# KiCad board vme-wren.kicad_pcb (continued)
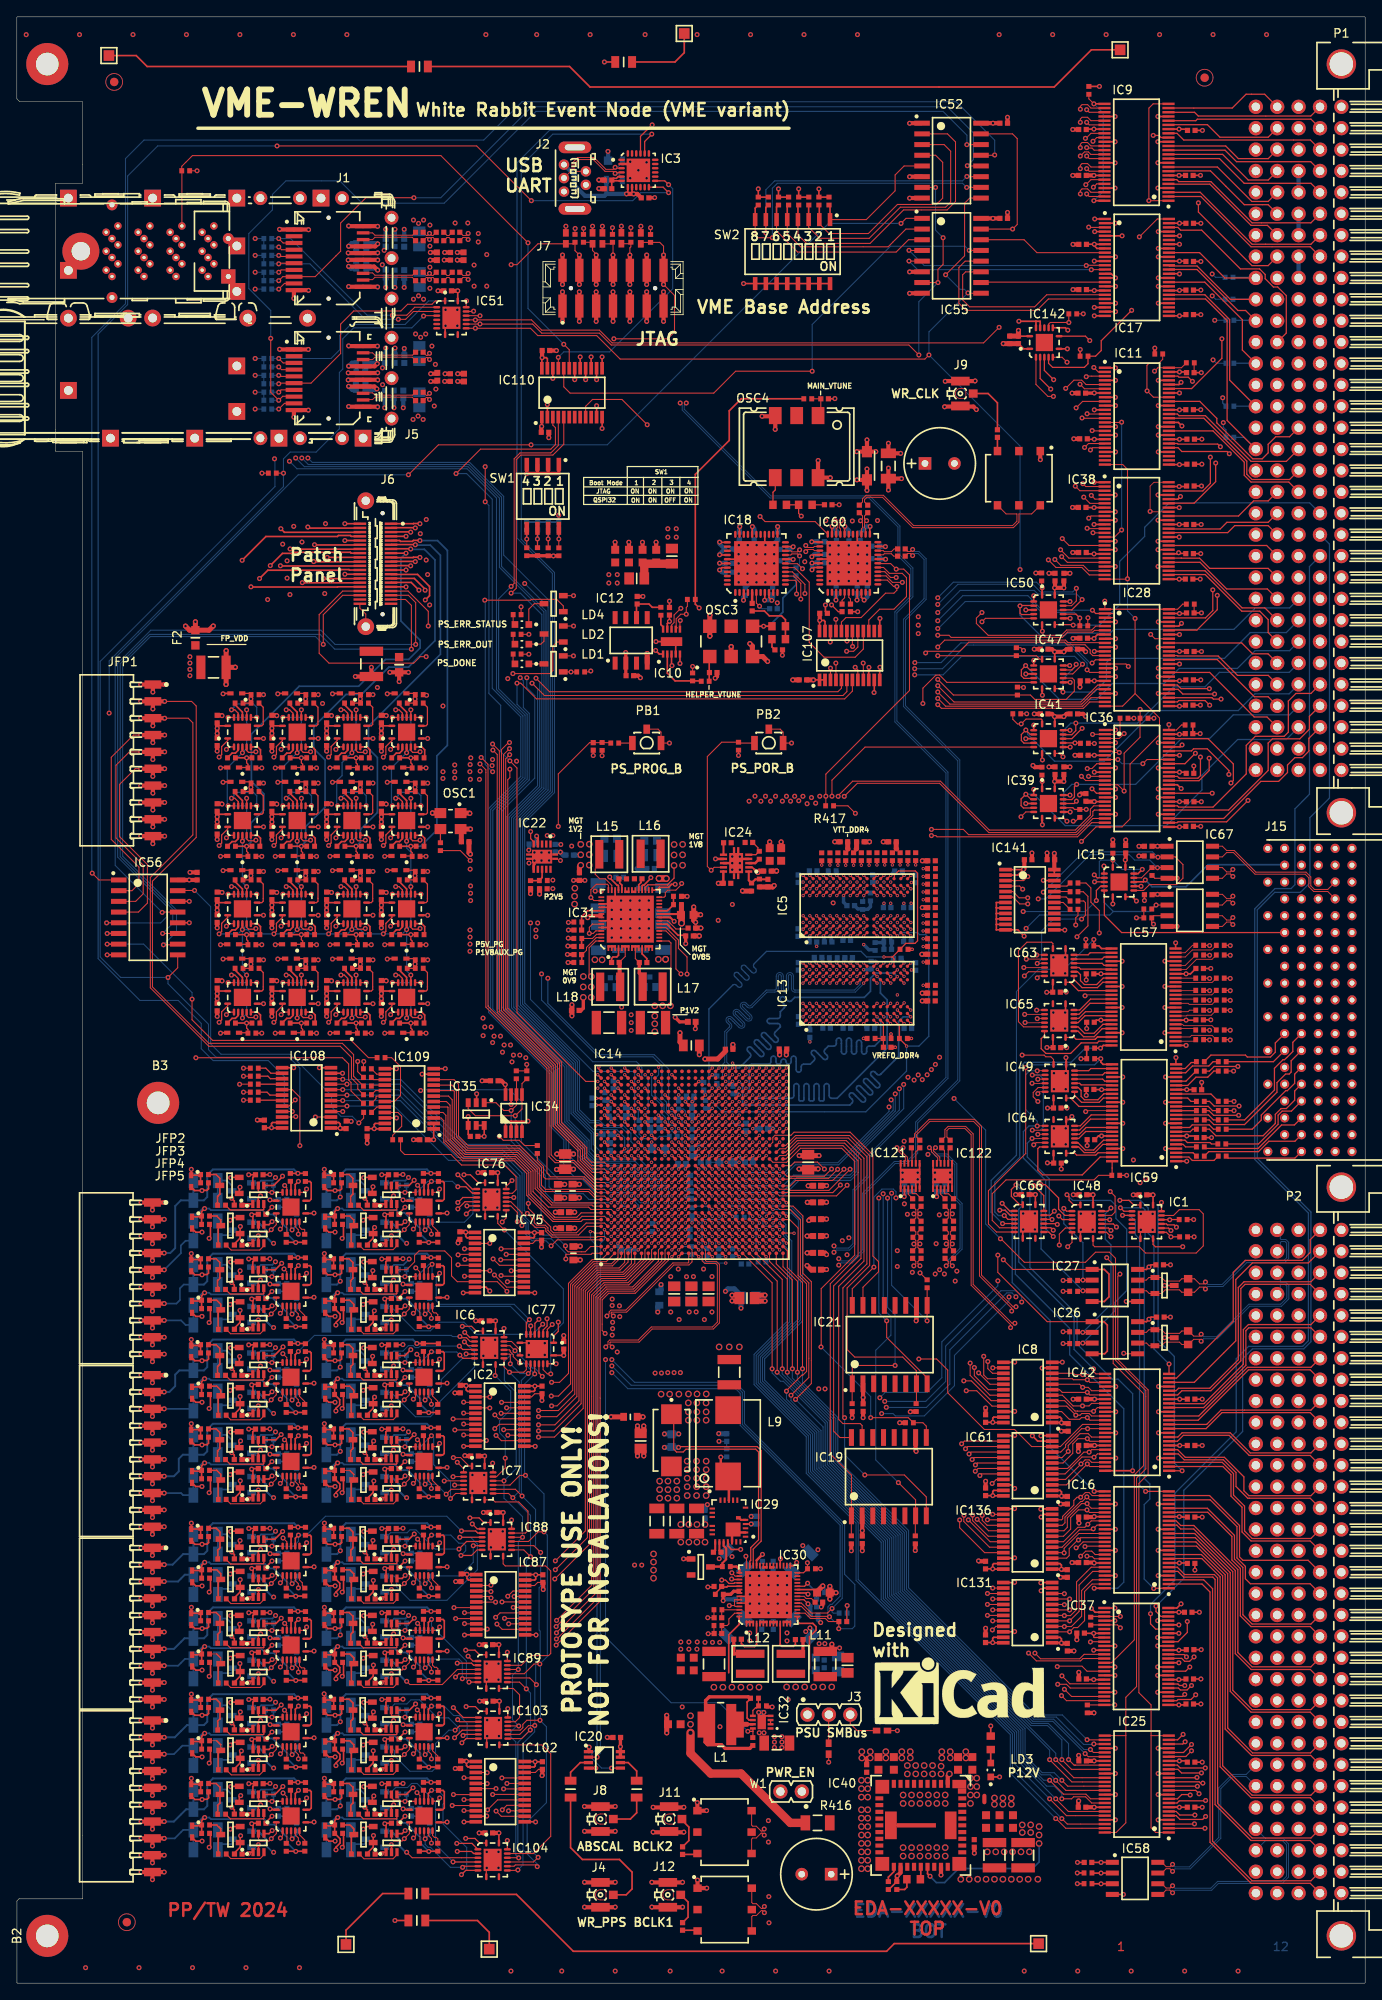
[diagram p0: board, top side]
## Footprints (pads in the part's own frame, mm; a bottom-side part is the same pattern mirrored in y, then rotated) (continued)
CAPC1005X55N
  rect 0.62x0.62 smd: 1(-0.45,0) 2(0.45,0)
CAPC1005X70N
  rect 0.71x0.72 smd: 1(-0.46,0) 2(0.46,0)
CAPC1608X90N
  rect 0.95x0.95 smd: 1(-0.75,0) 2(0.75,0)
CAPC1608X100N
  rect 0.8x0.95 smd: 1(-0.8,0) 2(0.8,0)
CAPC2013X145N
  rect 1.15x1.45 smd: 1(-0.9,0) 2(0.9,0)
CAPC3216X180N
  rect 1.15x1.8 smd: 1(-1.5,0) 2(1.5,0)
CAPC3225X280N
  rect 1.1x2.8 smd: 1(-1.5,0) 2(1.5,0)
CAPMP7343X200N
  rect 2.35x2.45 smd: 1(-3.1,0) 2(3.1,0)
CAPPR350-850X700_A
  rect 1.5x1.5 hole 0.8: 1(-1.75,0)
  round 1.5 hole 0.8: 2(1.75,0)
EATON_0402ESDA-MLP
  rect 0.9x0.7 smd: 1(-0.65,0) 2(0.65,0)
FIDUCIAL_TOP_C100-200
  round 1 smd: FTG2(0,0)
FUSR_LITTELFUSE_0603L
  rect 1x1 smd: 1(-0.9,0) 2(0.9,0)
HARTING_02 01 160 2101
  round 1.7 hole 1: A1(-2.54,0) A2(-2.54,-2.54) A3(-2.54,-5.08) A4(-2.54,-7.62) A5(-2.54,-10.16) A6(-2.54,-12.7) A7(-2.54,-15.24) A8(-2.54,-17.78) A9(-2.54,-20.32) A10(-2.54,-22.86) A11(-2.54,-25.4) A12(-2.54,-27.94) A13(-2.54,-30.48) A14(-2.54,-33.02) A15(-2.54,-35.56) A16(-2.54,-38.1) A17(-2.54,-40.64) A18(-2.54,-43.18) A19(-2.54,-45.72) A20(-2.54,-48.26) A21(-2.54,-50.8) A22(-2.54,-53.34) A23(-2.54,-55.88) A24(-2.54,-58.42) A25(-2.54,-60.96) A26(-2.54,-63.5) A27(-2.54,-66.04) A28(-2.54,-68.58) A29(-2.54,-71.12) A30(-2.54,-73.66) A31(-2.54,-76.2) A32(-2.54,-78.74) B1(-5.08,0) B2(-5.08,-2.54) B3(-5.08,-5.08) B4(-5.08,-7.62) B5(-5.08,-10.16) B6(-5.08,-12.7) B7(-5.08,-15.24) B8(-5.08,-17.78) B9(-5.08,-20.32) B10(-5.08,-22.86) B11(-5.08,-25.4) B12(-5.08,-27.94) B13(-5.08,-30.48) B14(-5.08,-33.02) B15(-5.08,-35.56) B16(-5.08,-38.1) B17(-5.08,-40.64) B18(-5.08,-43.18) B19(-5.08,-45.72) B20(-5.08,-48.26) B21(-5.08,-50.8) B22(-5.08,-53.34) B23(-5.08,-55.88) B24(-5.08,-58.42) B25(-5.08,-60.96) B26(-5.08,-63.5) B27(-5.08,-66.04) B28(-5.08,-68.58) B29(-5.08,-71.12) B30(-5.08,-73.66) B31(-5.08,-76.2) B32(-5.08,-78.74) C1(-7.62,0) C2(-7.62,-2.54) C3(-7.62,-5.08) C4(-7.62,-7.62) C5(-7.62,-10.16) C6(-7.62,-12.7) C7(-7.62,-15.24) C8(-7.62,-17.78) C9(-7.62,-20.32) C10(-7.62,-22.86) C11(-7.62,-25.4) C12(-7.62,-27.94) C13(-7.62,-30.48) C14(-7.62,-33.02) C15(-7.62,-35.56) C16(-7.62,-38.1) C17(-7.62,-40.64) C18(-7.62,-43.18) C19(-7.62,-45.72) C20(-7.62,-48.26) C21(-7.62,-50.8) C22(-7.62,-53.34) C23(-7.62,-55.88) C24(-7.62,-58.42) C25(-7.62,-60.96) C26(-7.62,-63.5) C27(-7.62,-66.04) C28(-7.62,-68.58) C29(-7.62,-71.12) C30(-7.62,-73.66) C31(-7.62,-76.2) C32(-7.62,-78.74) D1(-10.16,0) D2(-10.16,-2.54) D3(-10.16,-5.08) D4(-10.16,-7.62) D5(-10.16,-10.16) D6(-10.16,-12.7) D7(-10.16,-15.24) D8(-10.16,-17.78) D9(-10.16,-20.32) D10(-10.16,-22.86) D11(-10.16,-25.4) D12(-10.16,-27.94) D13(-10.16,-30.48) D14(-10.16,-33.02) D15(-10.16,-35.56) D16(-10.16,-38.1) D17(-10.16,-40.64) D18(-10.16,-43.18) D19(-10.16,-45.72) D20(-10.16,-48.26) D21(-10.16,-50.8) D22(-10.16,-53.34) D23(-10.16,-55.88) D24(-10.16,-58.42) D25(-10.16,-60.96) D26(-10.16,-63.5) D27(-10.16,-66.04) D28(-10.16,-68.58) D29(-10.16,-71.12) D30(-10.16,-73.66) D31(-10.16,-76.2) D32(-10.16,-78.74) Z1(0,0) Z2(0,-2.54) Z3(0,-5.08) Z4(0,-7.62) Z5(0,-10.16) Z6(0,-12.7) Z7(0,-15.24) Z8(0,-17.78) Z9(0,-20.32) Z10(0,-22.86) Z11(0,-25.4) Z12(0,-27.94) Z13(0,-30.48) Z14(0,-33.02) Z15(0,-35.56) Z16(0,-38.1) Z17(0,-40.64) Z18(0,-43.18) Z19(0,-45.72) Z20(0,-48.26) Z21(0,-50.8) Z22(0,-53.34) Z23(0,-55.88) Z24(0,-58.42) Z25(0,-60.96) Z26(0,-63.5) Z27(0,-66.04) Z28(0,-68.58) Z29(0,-71.12) Z30(0,-73.66) Z31(0,-76.2) Z32(0,-78.74)
  round 3.5 hole 2.8: MTG1(0,5.08) MTG2(0,-83.82)
HARTING_17 25 095 2102
  round 1.1 hole 0.6: A1(0,0) A2(0,-2) A3(0,-4) A4(0,-6) A5(0,-8) A6(0,-10) A7(0,-12) A8(0,-14) A9(0,-16) A10(0,-18) A11(0,-20) A12(0,-22) A13(0,-24) A14(0,-26) A15(0,-28) A16(0,-30) A17(0,-32) A18(0,-34) A19(0,-36) B1(-2,0) B2(-2,-2) B3(-2,-4) B4(-2,-6) B5(-2,-8) B6(-2,-10) B7(-2,-12) B8(-2,-14) B9(-2,-16) B10(-2,-18) B11(-2,-20) B12(-2,-22) B13(-2,-24) B14(-2,-26) B15(-2,-28) B16(-2,-30) B17(-2,-32) B18(-2,-34) B19(-2,-36) C1(-4,0) C2(-4,-2) C3(-4,-4) C4(-4,-6) C5(-4,-8) C6(-4,-10) C7(-4,-12) C8(-4,-14) C9(-4,-16) C10(-4,-18) C11(-4,-20) C12(-4,-22) C13(-4,-24) C14(-4,-26) C15(-4,-28) C16(-4,-30) C17(-4,-32) C18(-4,-34) C19(-4,-36) D1(-6,0) D2(-6,-2) D3(-6,-4) D4(-6,-6) D5(-6,-8) D6(-6,-10) D7(-6,-12) D8(-6,-14) D9(-6,-16) D10(-6,-18) D11(-6,-20) D12(-6,-22) D13(-6,-24) D14(-6,-26) D15(-6,-28) D16(-6,-30) D17(-6,-32) D18(-6,-34) D19(-6,-36) E1(-8,0) E2(-8,-2) E3(-8,-4) E4(-8,-6) E5(-8,-8) E6(-8,-10) E7(-8,-12) E8(-8,-14) E9(-8,-16) E10(-8,-18) E11(-8,-20) E12(-8,-22) E13(-8,-24) E14(-8,-26) E15(-8,-28) E16(-8,-30) E17(-8,-32) E18(-8,-34) E19(-8,-36) F1(-10,0) F3(-10,-4) F5(-10,-8) F7(-10,-12) F9(-10,-16) F11(-10,-20) F13(-10,-24) F15(-10,-28) F17(-10,-32) F19(-10,-36)
HARWIN_M22-6541042R
  rect 1x2 smd: 1(9,0) 2(7,0) 3(5,0) 4(3,0) 5(1,0) 6(-1,0) 7(-3,0) 8(-5,0) 9(-7,0) 10(-9,0)
HIROSE_U.FL-R-SMT-1(10)
  rect 1x1.05 smd: 1(0,-1.525)
  rect 1.05x2.2 smd: 2(-1.475,0) 2(1.475,0)
IND_COILCRAFT_XAL4020
  rect 0.98x3.4 smd: 1(-1.185,0) 2(1.185,0)
IND_COILCRAFT_XAL4030
  rect 0.98x3.4 smd: 1(-1.185,0) 2(1.185,0)
IND_MURATA_BLM31PG
  rect 1.35x1.2 smd: 1(-1.675,0) 2(1.675,0)
IND_PULSE_PA2607
  rect 3.3x3.05 smd: 1(-3.935,0) 2(3.935,0)
IND_TDK_VLCF5020-1
  custom 2.1x4.9 smd: 1(-1.25,0) 2(1.25,0)
INDC1608X95N
  rect 0.95x1 smd: 1(-0.8,0) 2(0.8,0)
INDC2012X105N
  rect 1.15x1.45 smd: 1(-0.9,0) 2(0.9,0)
INDC2012X110N
  rect 1.05x1.4 smd: 1(-0.95,0) 2(0.95,0)
INFINEON_PG-VQFN-56-900 (IRPS5401M)
  rect 0.7x0.22 smd: 1(-3.44,2.6) 2(-3.44,2.2) 3(-3.44,1.8) 4(-3.44,1.4) 5(-3.44,1) 6(-3.44,0.6) 7(-3.44,0.2) 8(-3.44,-0.2) 9(-3.44,-0.6) 10(-3.44,-1) 11(-3.44,-1.4) 12(-3.44,-1.8) 13(-3.44,-2.2) 14(-3.44,-2.6) 29(3.44,-2.6) 30(3.44,-2.2) 31(3.44,-1.8) 32(3.44,-1.4) 33(3.44,-1) 34(3.44,-0.6) 35(3.44,-0.2) 36(3.44,0.2) 37(3.44,0.6) 38(3.44,1) 39(3.44,1.4) 40(3.44,1.8) 41(3.44,2.2) 42(3.44,2.6)
  rect 0.31x1.02 smd: 2(-3.245,2.2) 6(-3.245,0.6) 9(-3.245,-0.6) 13(-3.245,-2.2)
  rect 0.22x0.7 smd: 15(-2.6,-3.44) 16(-2.2,-3.44) 17(-1.8,-3.44) 18(-1.4,-3.44) 19(-1,-3.44) 20(-0.6,-3.44) 21(-0.2,-3.44) 22(0.2,-3.44) 23(0.6,-3.44) 24(1,-3.44) 25(1.4,-3.44) 26(1.8,-3.44) 27(2.2,-3.44) 28(2.6,-3.44) 43(2.6,3.44) 44(2.2,3.44) 45(1.8,3.44) 46(1.4,3.44) 47(1,3.44) 48(0.6,3.44) 49(0.2,3.44) 50(-0.2,3.44) 51(-0.6,3.44) 52(-1,3.44) 53(-1.4,3.44) 54(-1.8,3.44) 55(-2.2,3.44) 56(-2.6,3.44)
  rect 0.31x0.62 smd: 34(3.245,-0.4) 36(3.245,0.4)
  rect 5.6x5.6 smd: 57(0,0)
INFINEON_TDA21535
  rect 0.65x0.25 smd: 1(-1.975,1.86) 2(-1.975,1.36) 3(-1.975,0.86) 4(-1.975,0.36) 5(-1.975,-0.14) 7(-1.975,-1.585) 13(1.975,-1.48) 14(1.975,-0.98) 15(1.975,-0.48) 16(1.975,0.58) 17(1.975,1.08) 18(1.975,1.58)
  rect 0.25x0.65 smd: 8(-1,-2.475) 9(-0.5,-2.475) 10(0,-2.475) 11(0.5,-2.475) 12(1,-2.475) 19(1.625,2.475) 20(1.125,2.475) 21(0.625,2.475) 22(0.125,2.475) 23(-0.375,2.475) 24(-0.875,2.475) 25(-1.375,2.475)
  round 0.025 smd: 10(0,-2.45) 13(0,-0.98) 17(1.52,1.08)
  rect 1.78x1.67 smd: 26(-0.5,1.005)
  rect 0.57x0.42 smd: 27(-1.125,-0.38)
LED_KINGBRIGHT_KPH-1608CGCK
  rect 0.8x0.8 smd: 1(-0.825,0) 2(0.825,0)
MOLEX_74737-0009
  round 2 hole 1.05: 2(-20.9,7.125)
MOLEX_87832-1420
  round 0.5 hole 1 unplated: (-5,0) (5,0)
  rect 1x2.75 smd: 1(-6,-2.125) 2(-6,2.125) 3(-4,-2.125) 4(-4,2.125) 5(-2,-2.125) 6(-2,2.125) 7(0,-2.125) 8(0,2.125) 9(2,-2.125) 10(2,2.125) 11(4,-2.125) 12(4,2.125) 13(6,-2.125) 14(6,2.125)
MOLEX_500075-1517
  round 1.25 hole 0.7: 1(1.6,1.3) 2(0.8,-1.3) 3(0,1.3) 4(-0.8,-1.3) 5(-1.6,1.3)
  rrect 1.4x3.9 hole 0.7x2.4: 6(-3.65,0) 6(3.65,0)
MTG270_500
  round 5 hole 2.7: 1(0,0)
OSC_CONNOR-WINFIELD_DOT050V
  rect 2.03x1.52 smd: 1(-3.685,2.54) 2(-3.685,0) 3(-3.685,-2.54) 4(3.685,-2.54) 5(3.685,0) 6(3.685,2.54)
OSC_EPSON_SG-8018CE
  rect 1.2x1.4 smd: 1(-0.95,1.2) 2(-0.95,-1.2) 3(0.95,-1.2) 4(0.95,1.2)
OSC_KYOCERA_KV7050B-C3
  rect 1.6x1.6 smd: 1(-1.8,2.54) 2(-1.8,0) 3(-1.8,-2.54) 4(1.8,-2.54) 5(1.8,0) 6(1.8,2.54)
PB_OMRON_B3U-1100P
  rect 0.8x1.7 smd: 1(-1.7,0) 2(1.7,0)
  rect 0.8x1.1 smd: 3(0,-1.65)
QFN50P400X400X80-25N-S280
  rrect 0.8x0.3 smd: 1(-2,1.25) 2(-2,0.75) 3(-2,0.25) 4(-2,-0.25) 5(-2,-0.75) 6(-2,-1.25) 13(2,-1.25) 14(2,-0.75) 15(2,-0.25) 16(2,0.25) 17(2,0.75) 18(2,1.25)
  rrect 0.3x0.8 smd: 7(-1.25,-2) 8(-0.75,-2) 9(-0.25,-2) 10(0.25,-2) 11(0.75,-2) 12(1.25,-2) 19(1.25,2) 20(0.75,2) 21(0.25,2) 22(-0.25,2) 23(-0.75,2) 24(-1.25,2)
  rect 2.8x2.8 smd: 25(0,0)
QFN50P700X700X90-45N-S530
  rrect 0.85x0.3 smd: 1(-3.45,2.5) 2(-3.45,2) 3(-3.45,1.5) 4(-3.45,1) 5(-3.45,0.5) 6(-3.45,0) 7(-3.45,-0.5) 8(-3.45,-1) 9(-3.45,-1.5) 10(-3.45,-2) 11(-3.45,-2.5) 23(3.45,-2.5) 24(3.45,-2) 25(3.45,-1.5) 26(3.45,-1) 27(3.45,-0.5) 28(3.45,0) 29(3.45,0.5) 30(3.45,1) 31(3.45,1.5) 32(3.45,2) 33(3.45,2.5)
  rrect 0.3x0.85 smd: 12(-2.5,-3.45) 13(-2,-3.45) 14(-1.5,-3.45) 15(-1,-3.45) 16(-0.5,-3.45) 17(0,-3.45) 18(0.5,-3.45) 19(1,-3.45) 20(1.5,-3.45) 21(2,-3.45) 22(2.5,-3.45) 34(2.5,3.45) 35(2,3.45) 36(1.5,3.45) 37(1,3.45) 38(0.5,3.45) 39(0,3.45) 40(-0.5,3.45) 41(-1,3.45) 42(-1.5,3.45) 43(-2,3.45) 44(-2.5,3.45)
  rect 5.3x5.3 smd: 45(0,0)
RESC1005X40N
  rect 0.58x0.62 smd: 1(-0.47,0) 2(0.47,0)
RESC1106X84N
  rect 0.71x0.72 smd: 1(-0.49,0) 2(0.49,0)
RESC1608X55N
  rect 0.9x1 smd: 1(-0.8,0) 2(0.8,0)
RESC2012X60N
  rect 0.95x1.4 smd: 1(-1,0) 2(1,0)
RESC3216X65N
  rect 1.15x1.8 smd: 1(-1.45,0) 2(1.45,0)
SAMTEC_LSHM-120-02.5-X-DV-A-S
  round 0.5 hole 1.5 unplated: (-6,-0.85) (6,-0.85)
  rect 0.3x1.5 smd: 1(4.75,-1.85) 2(4.75,1.85) 3(4.25,-1.85) 4(4.25,1.85) 5(3.75,-1.85) 6(3.75,1.85) 7(3.25,-1.85) 8(3.25,1.85) 9(2.75,-1.85) 10(2.75,1.85) 11(2.25,-1.85) 12(2.25,1.85) 13(1.75,-1.85) 14(1.75,1.85) 15(1.25,-1.85) 16(1.25,1.85) 17(0.75,-1.85) 18(0.75,1.85) 19(0.25,-1.85) 20(0.25,1.85) 21(-0.25,-1.85) 22(-0.25,1.85) 23(-0.75,-1.85) 24(-0.75,1.85) 25(-1.25,-1.85) 26(-1.25,1.85) 27(-1.75,-1.85) 28(-1.75,1.85) 29(-2.25,-1.85) 30(-2.25,1.85) 31(-2.75,-1.85) 32(-2.75,1.85) 33(-3.25,-1.85) 34(-3.25,1.85) 35(-3.75,-1.85) 36(-3.75,1.85) 37(-4.25,-1.85) 38(-4.25,1.85) 39(-4.75,-1.85) 40(-4.75,1.85)
  round 2 hole 1: 41(-7.475,1.15) 41(7.475,1.15)
SAMTEC_MTLW-102-07-L-S-250
  round 1.7 hole 1: 1(0,0) 2(2.54,0)
SAMTEC_MTLW-103-07-L-S-250
  round 1.7 hole 1: 1(0,0) 2(2.54,0) 3(5.08,0)
SODFL1608X65N
  rect 0.75x0.5 smd: 1(-0.7,0) 2(0.7,0)
SOIC127P600X175-8N
  rect 1.55x0.6 smd: 1(-2.7,1.905) 2(-2.7,0.635) 3(-2.7,-0.635) 4(-2.7,-1.905) 5(2.7,-1.905) 6(2.7,-0.635) 7(2.7,0.635) 8(2.7,1.905)
SOIC127P780X200-16N
  rect 1.85x0.6 smd: 1(-3.5,4.445) 2(-3.5,3.175) 3(-3.5,1.905) 4(-3.5,0.635) 5(-3.5,-0.635) 6(-3.5,-1.905) 7(-3.5,-3.175) 8(-3.5,-4.445) 9(3.5,-4.445) 10(3.5,-3.175) 11(3.5,-1.905) 12(3.5,-0.635) 13(3.5,0.635) 14(3.5,1.905) 15(3.5,3.175) 16(3.5,4.445)
SOIC127P1030X265-16N
  rect 2x0.6 smd: 1(-4.65,4.445) 2(-4.65,3.175) 3(-4.65,1.905) 4(-4.65,0.635) 5(-4.65,-0.635) 6(-4.65,-1.905) 7(-4.65,-3.175) 8(-4.65,-4.445) 9(4.65,-4.445) 10(4.65,-3.175) 11(4.65,-1.905) 12(4.65,-0.635) 13(4.65,0.635) 14(4.65,1.905) 15(4.65,3.175) 16(4.65,4.445)
SON45P300X300X80-13N-R175X248
  rect 0.8x0.25 smd: 1(-1.5,1.125) 2(-1.5,0.675) 3(-1.5,0.225) 4(-1.5,-0.225) 5(-1.5,-0.675) 6(-1.5,-1.125) 7(1.5,-1.125) 8(1.5,-0.675) 9(1.5,-0.225) 10(1.5,0.225) 11(1.5,0.675) 12(1.5,1.125)
  rect 1.75x2.45 smd: 13(0,0)
SON50P200X200X80-9N-R100X170
  rect 0.7x0.3 smd: 1(-1.05,0.75) 2(-1.05,0.25) 3(-1.05,-0.25) 4(-1.05,-0.75) 5(1.05,-0.75) 6(1.05,-0.25) 7(1.05,0.25) 8(1.05,0.75)
  rect 1x1.7 smd: 9(0,0)
SOP50P810X120-48N
  rect 1.45x0.3 smd: 1(-3.8,5.75) 2(-3.8,5.25) 3(-3.8,4.75) 4(-3.8,4.25) 5(-3.8,3.75) 6(-3.8,3.25) 7(-3.8,2.75) 8(-3.8,2.25) 9(-3.8,1.75) 10(-3.8,1.25) 11(-3.8,0.75) 12(-3.8,0.25) 13(-3.8,-0.25) 14(-3.8,-0.75) 15(-3.8,-1.25) 16(-3.8,-1.75) 17(-3.8,-2.25) 18(-3.8,-2.75) 19(-3.8,-3.25) 20(-3.8,-3.75) 21(-3.8,-4.25) 22(-3.8,-4.75) 23(-3.8,-5.25) 24(-3.8,-5.75) 25(3.8,-5.75) 26(3.8,-5.25) 27(3.8,-4.75) 28(3.8,-4.25) 29(3.8,-3.75) 30(3.8,-3.25) 31(3.8,-2.75) 32(3.8,-2.25) 33(3.8,-1.75) 34(3.8,-1.25) 35(3.8,-0.75) 36(3.8,-0.25) 37(3.8,0.25) 38(3.8,0.75) 39(3.8,1.25) 40(3.8,1.75) 41(3.8,2.25) 42(3.8,2.75) 43(3.8,3.25) 44(3.8,3.75) 45(3.8,4.25) 46(3.8,4.75) 47(3.8,5.25) 48(3.8,5.75)
SOP65P400X130-8N
  rect 1.1x0.4 smd: 1(-1.9,0.975) 2(-1.9,0.325) 3(-1.9,-0.325) 4(-1.9,-0.975) 5(1.9,-0.975) 6(1.9,-0.325) 7(1.9,0.325) 8(1.9,0.975)
SOP65P490X110-8N
  rect 1.5x0.45 smd: 1(-2.2,0.975) 2(-2.2,0.325) 3(-2.2,-0.325) 4(-2.2,-0.975) 5(2.2,-0.975) 6(2.2,-0.325) 7(2.2,0.325) 8(2.2,0.975)
SOP65P640X120-24N
  rect 1.5x0.45 smd: 1(-2.9,3.575) 2(-2.9,2.925) 3(-2.9,2.275) 4(-2.9,1.625) 5(-2.9,0.975) 6(-2.9,0.325) 7(-2.9,-0.325) 8(-2.9,-0.975) 9(-2.9,-1.625) 10(-2.9,-2.275) 11(-2.9,-2.925) 12(-2.9,-3.575) 13(2.9,-3.575) 14(2.9,-2.925) 15(2.9,-2.275) 16(2.9,-1.625) 17(2.9,-0.975) 18(2.9,-0.325) 19(2.9,0.325) 20(2.9,0.975) 21(2.9,1.625) 22(2.9,2.275) 23(2.9,2.925) 24(2.9,3.575)
SOT65P210X110-6N
  rect 0.95x0.4 smd: 1(-1.1,0.65) 2(-1.1,0) 3(-1.1,-0.65) 4(1.1,-0.65) 5(1.1,0) 6(1.1,0.65)
SOT95P237X112-3N
  rect 1.05x0.6 smd: 1(-1.15,0.95) 2(-1.15,-0.95) 3(1.15,0)
SOT95P240X110-3N
  rect 1.05x0.65 smd: 1(-1.15,0.95) 2(-1.15,-0.95) 3(1.15,0)
SOT95P240X130-3N
  rect 1.05x0.65 smd: 1(-1.15,0.95) 2(-1.15,-0.95) 3(1.15,0)
SOT95P280X145-6N
  rect 1.05x0.6 smd: 1(-1.35,0.95) 2(-1.35,0) 3(-1.35,-0.95) 4(1.35,-0.95) 5(1.35,0) 6(1.35,0.95)
SOT190P230X110-4N
  rect 1x1 smd: 1(-1.15,0.75)
  rect 1x0.6 smd: 2(-1.15,-0.95) 3(1.15,-0.95) 4(1.15,0.95)
SW_TYCO_1-1571983-0
  rect 1.55x0.55 smd: 1(-3.8,4.445) 2(-3.8,3.175) 3(-3.8,1.905) 4(-3.8,0.635) 5(-3.8,-0.635) 6(-3.8,-1.905) 7(-3.8,-3.175) 8(-3.8,-4.445) 9(3.8,-4.445) 10(3.8,-3.175) 11(3.8,-1.905) 12(3.8,-0.635) 13(3.8,0.635) 14(3.8,1.905) 15(3.8,3.175) 16(3.8,4.445)
SW_TYCO_1571983-4
  rect 1.55x0.55 smd: 1(-3.8,1.905) 2(-3.8,0.635) 3(-3.8,-0.635) 4(-3.8,-1.905) 5(3.8,-1.905) 6(3.8,-0.635) 7(3.8,0.635) 8(3.8,1.905)
TEXAS_DRC (S-PVSON-N10)
  rect 0.85x0.3 smd: 1(-1.5,1) 2(-1.5,0.5) 3(-1.5,0) 4(-1.5,-0.5) 5(-1.5,-1) 6(1.5,-1) 7(1.5,-0.5) 8(1.5,0) 9(1.5,0.5) 10(1.5,1)
  rect 0.28x0.7 smd: 11(-0.25,1.55) 11(-0.25,-1.55) 11(0.25,1.55) 11(0.25,-1.55)
  rect 1.65x2.4 smd: 11(0,0)
TEXAS_DSC (S-PWSON-N10)
  rect 0.85x0.3 smd: 1(-1.475,1) 2(-1.475,0.5) 3(-1.475,0) 4(-1.475,-0.5) 5(-1.475,-1) 6(1.475,-1) 7(1.475,-0.5) 8(1.475,0) 9(1.475,0.5) 10(1.475,1)
  rect 1.05x2.55 smd: 11(0,0)
TEXAS_RGY (R-PVQFN-N16)
  rrect 0.3x0.85 smd: 1(-0.75,2) 8(-0.75,-2) 9(0.75,-2) 16(0.75,2)
  rrect 0.85x0.3 smd: 2(-1.75,1.25) 3(-1.75,0.75) 4(-1.75,0.25) 5(-1.75,-0.25) 6(-1.75,-0.75) 7(-1.75,-1.25) 10(1.75,-1.25) 11(1.75,-0.75) 12(1.75,-0.25) 13(1.75,0.25) 14(1.75,0.75) 15(1.75,1.25)
  rect 2.15x2.65 smd: 17(0,0)
TEXAS_RGY (S-PVQFN-N14)
  rrect 0.3x0.85 smd: 1(-0.75,1.75) 7(-0.75,-1.75) 8(0.75,-1.75) 14(0.75,1.75)
  rrect 0.85x0.3 smd: 2(-1.75,1) 3(-1.75,0.5) 4(-1.75,0) 5(-1.75,-0.5) 6(-1.75,-1) 9(1.75,-1) 10(1.75,-0.5) 11(1.75,0) 12(1.75,0.5) 13(1.75,1)
  rect 2.05x2.05 smd: 15(0,0)
TEXAS_RVQ (S-PB3QFN-N42)
  rect 1x1.65 smd: 1(-4.9,4.575)
  rect 0.65x1 smd: 1(-4.075,4.9)
  rect 0.95x0.5 smd: 2(-4.925,3.2) 3(-4.925,2.4) 4(-4.925,1.6) 5(-4.925,0.8) 6(-4.925,0) 7(-4.925,-0.8) 8(-4.925,-1.6) 9(-4.925,-2.4) 10(-4.925,-3.2) 22(4.925,-3.2) 23(4.925,-2.4) 24(4.925,-1.6) 25(4.925,-0.8) 26(4.925,0) 27(4.925,0.8) 28(4.925,1.6) 29(4.925,2.4) 30(4.925,3.2)
  rect 1.65x1.65 smd: 11(-4.575,-4.575) 21(4.575,-4.575) 31(4.575,4.575)
  rect 0.5x0.95 smd: 12(-3.2,-4.925) 13(-2.4,-4.925) 14(-1.6,-4.925) 15(-0.8,-4.925) 16(0,-4.925) 17(0.8,-4.925) 18(1.6,-4.925) 19(2.4,-4.925) 20(3.2,-4.925) 32(3.2,4.925) 33(2.4,4.925) 34(1.6,4.925) 35(0.8,4.925) 36(0,4.925) 37(-0.8,4.925) 38(-1.6,4.925) 39(-2.4,4.925) 40(-3.2,4.925)
  rect 3.29x1.4 smd: 41(0,3.55) 42(0,-3.55)
  rect 0.525x4.65 smd: 42(0,-0.525)
TPS127
  rect 1.27x1.27 smd: 1(0,0)
TYCO_1761014-3
  rect 2x2 hole 1.05: 1(-14.25,-30.9) 2(-14.25,-20.9) 3(-14.25,-10.9) 4(-14.25,-0.9) 5(14.25,4.1) 6(14.25,-5.9) 7(14.25,-15.9) 8(14.25,-25.9) 9(-5.675,-30.9) 10(-8.575,-10.9) 11(-3.175,-10.9) 12(8.575,-30.9) 13(5.675,-10.9) 14(11.075,-10.9)
  round 2 hole 1.05: 15(0,-30.9) 16(0,-23.8) 17(0,-9.6) 18(0,-2.5)
  round 1.65 hole 0.95: 19(-14.25,-8.1) 20(-14.25,-3.4) 21(-14.25,1.6) 22(-11.925,7.475) 23(-7.125,7.475) 24(-2.325,7.475) 25(2.325,7.475) 26(7.125,7.475) 27(11.925,7.475) 28(14.25,1.6) 29(14.25,-3.4) 30(14.25,-8.1)
TYCO_1888247-1
  round 0.5 hole 1.55 unplated: (0,4.795) (0,-4.805)
  rect 2x0.5 smd: 1(-4.1,3.395) 2(-4.1,2.595) 3(-4.1,1.795) 4(-4.1,0.995) 5(-4.1,0.195) 6(-4.1,-0.605) 7(-4.1,-1.405) 8(-4.1,-2.205) 9(-4.1,-3.005) 10(-4.1,-3.805) 11(4.1,-3.405) 14(4.1,-1.005) 15(4.1,-0.205) 16(4.1,0.595) 17(4.1,1.395) 20(4.1,3.795)
  rect 1.5x0.4 smd: 12(4.1,-2.605) 13(4.1,-1.805) 18(4.1,2.195) 19(4.1,2.995)
TYCO_2149027-1
  rrect 0.9x0.9 hole 0.4: A1(-5,3) A2(-6.4,2.25) A3(-5.7,1.5) A4(-5,0.75) A5(-6.4,0) A6(-5.7,-0.75) A7(-5,-1.5) A8(-6.4,-2.25) A9(-5.7,-3) B1(-1.2,3) B2(-2.6,2.25) B3(-1.9,1.5) B4(-1.2,0.75) B5(-2.6,0) B6(-1.9,-0.75) B7(-1.2,-1.5) B8(-2.6,-2.25) B9(-1.9,-3) C1(2.6,3) C2(1.2,2.25) C3(1.9,1.5) C4(2.6,0.75) C5(1.2,0) C6(1.9,-0.75) C7(2.6,-1.5) C8(1.2,-2.25) C9(1.9,-3) D1(6.4,3) D2(5,2.25) D3(5.7,1.5) D4(6.4,0.75) D5(5,0) D6(5.7,-0.75) D7(6.4,-1.5) D8(5,-2.25) D9(5.7,-3)
  round 4.4 hole 2.2: SHIELD(-9.4,0)
  round 1.3 hole 0.6: SHIELD(-5.7,5.5) SHIELD(-5.7,-5.5) SHIELD(8.11,1.5)
  rect 1.7x1.7 hole 0.6: SHIELD(8.11,-3)
XFMR_MINI-CIRCUITS_CD542
  rect 0.9x1 smd: 1(-2.54,-3.22) 2(0,-3.22) 3(2.54,-3.22) 4(2.54,3.22) 5(0,3.22) 6(-2.54,3.22)

## Nets
5VREG: C220.2 C275.1 C287.1 C296.2 IC22.4 IC29.4 IC30.29 IC30.48 IC30.49 IC31.29 IC31.48 IC31.49 IC32.6 L1.2 R120.1 R205.1 R210.1 R212.1 R213.1 R416.1
/power-supply-1/P1V8AUX_PG: IC30.16 IC31.28 IC31.42 IC31.44 IC31.51 IC31.53 R227.2
/power-supply-3/5VPG: IC22.5 IC32.8 R120.2
